# KiCad board FMC_MIPI_v2.kicad_pcb (continued)
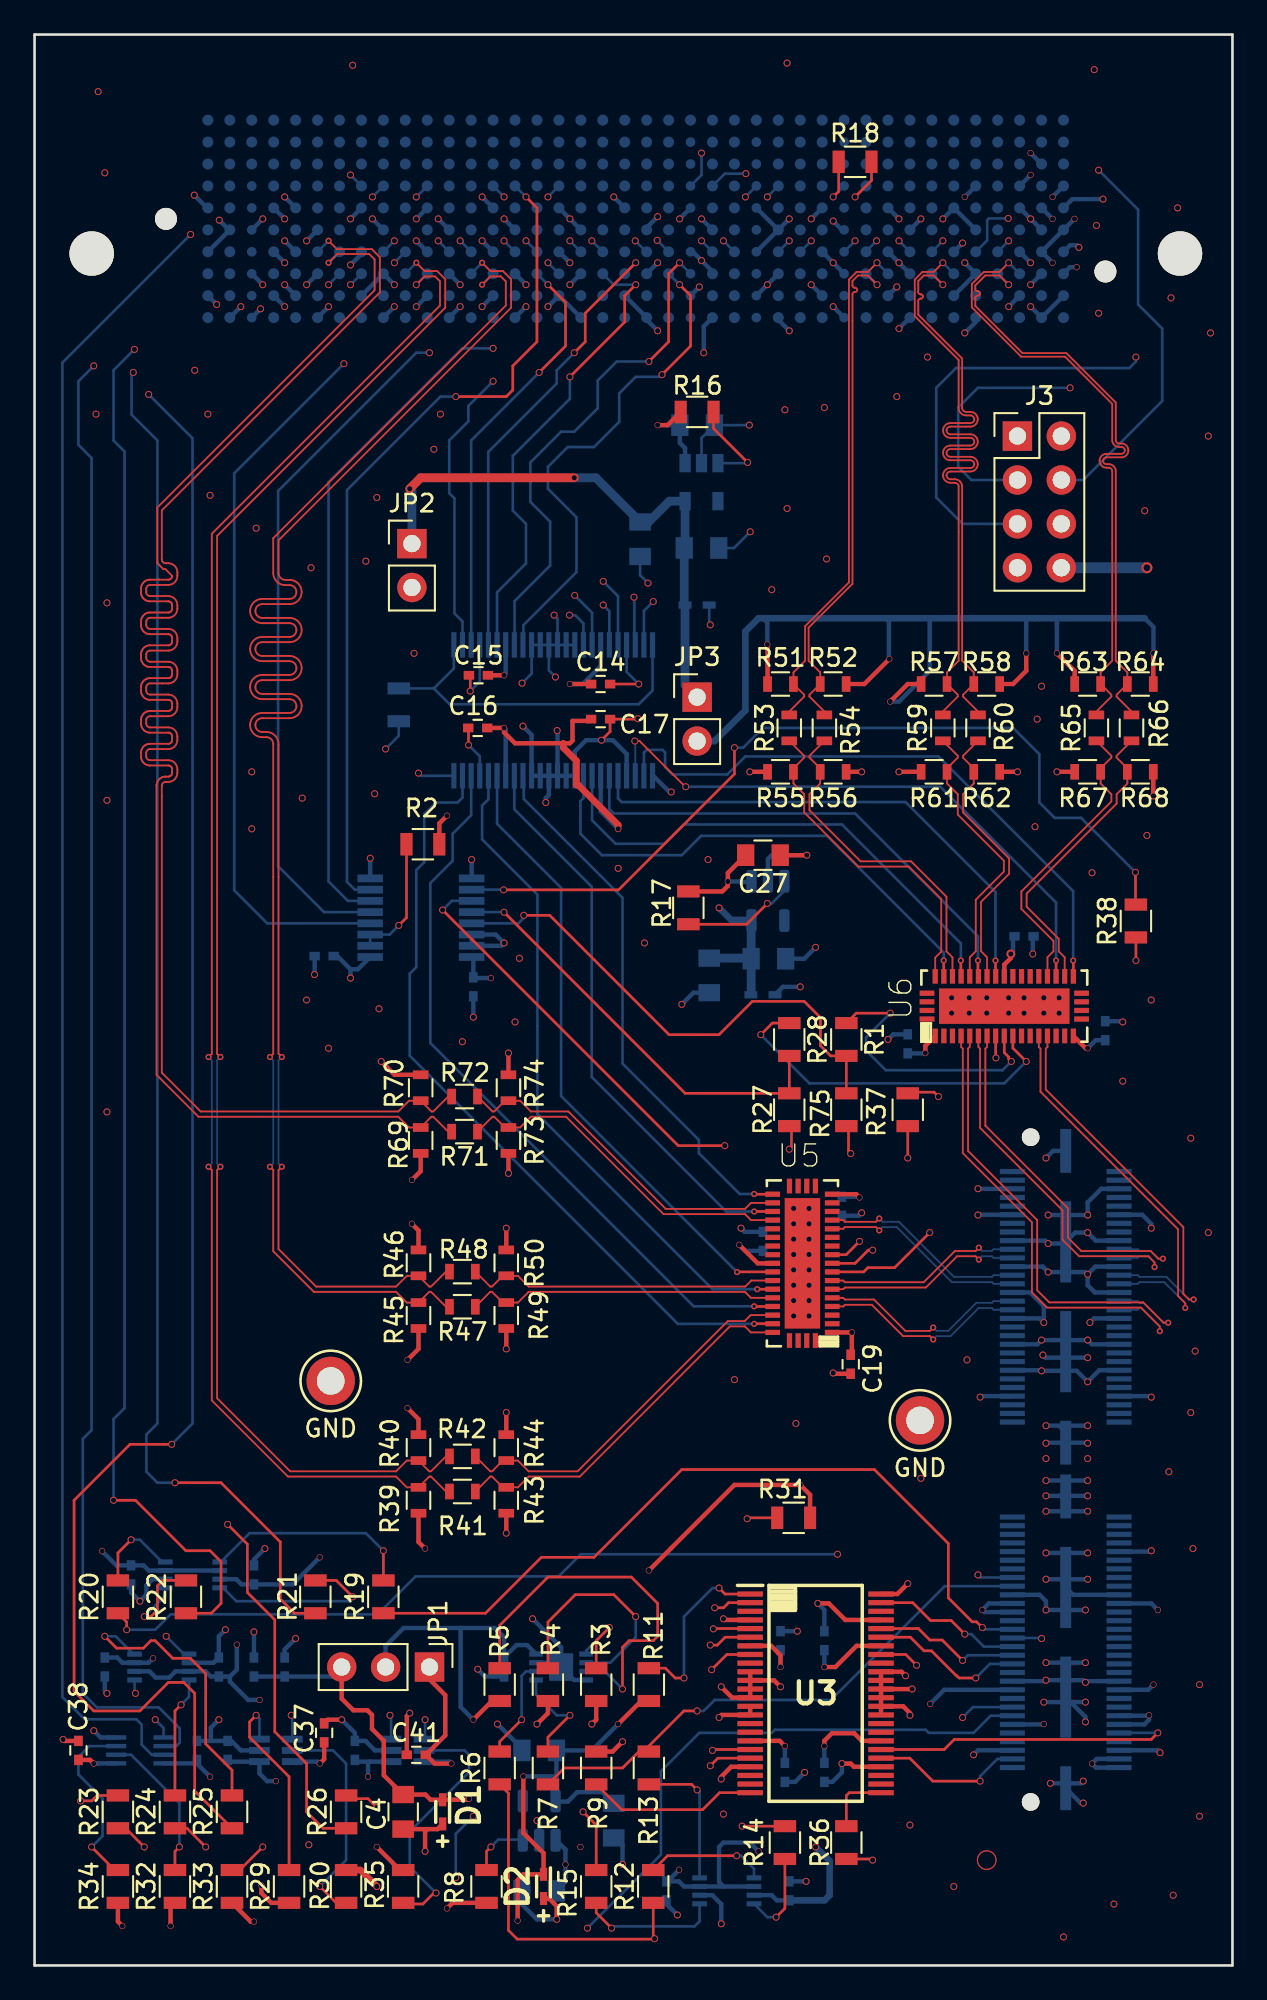
[diagram p0: board, top side]
## Routing (per net, layer and track width the routed paths; a pad name or vN(x,y) marks a point on that pad's centre or on a via; arc(x,y) is an arc through that point) (continued)
  Bottom w0.152: U8.20 33.77,79.26 v2(32.92,80.11) ; J1.G18 v2(30.99,99.82)
FMC_CSI_LP_D_D1_N: length 28.3
  In2.Cu w0.152: v2(28.45,99.82) 27.81,99.19 27.81,93.73 25.53,91.44 25.53,83.59 v2(30.96,78.16)
  Bottom w0.152: v2(30.96,78.16) 31.29,78.16 31.77,77.68 U8.16 ; J1.G16 v2(28.45,99.82)
FMC_CSI_LP_D_D1_P: length 29.5
  In2.Cu w0.152: v2(27.18,99.82) 28.07,100.71 30.35,100.71 30.35,80.21 v2(31.27,79.3)
  Bottom w0.152: U8.17 32.27,78.29 v2(31.27,79.3) ; J1.G15 v2(27.18,99.82)
FMC_EN_MIPI_OUT_CLOCK_VADJ: length 49.1
  Top w0.152: v2(28.45,102.36) 29.08,101.73 29.08,93.98 27.69,92.58 27.69,91.19 27.3,90.81 v2(24.38,90.81)
  Bottom w0.152: IC1.7 18.54,62.27 18.08,62.72 18.08,85.39 23.5,90.81 v2(24.38,90.81) ; J1.D15 v2(28.45,102.36)
FMC_EN_MIPI_OUT_DATA_VADJ: length 48.6
  In3.Cu w0.152: v2(27.18,102.36) 26.54,101.73 v2(26.54,93.6)
  Bottom w0.152: IC1.6 18.14,61.62 17.02,62.74 17.02,85.85 24.77,93.6 v2(26.54,93.6) ; 26.54,103 v2(27.18,102.36)
FMC_ENN_JT_GPIO_INPUT: length 108.6
  In2.Cu w0.152: v2(23.5,89.79) 14.02,80.31 14.02,55.07 15.75,53.34 15.75,42.39 10.54,37.19 10.54,33.81 15.75,28.6 15.75,15.49 16,15.24 19.81,15.24 v2(20.57,14.48)
  In3.Cu w0.152: v2(23.5,89.79) 27.18,89.79 28.32,90.93 28.32,92.33 30.33,94.34 30.33,101.75 v2(29.72,102.36)
  Bottom w0.152: IC7.3 20.64,14.41 v2(20.57,14.48) ; J1.D17 v2(29.72,102.36)
FMC_GPIO9_OUT: length 104.3
  Top w0.152: v2(39.24,12.45) 39.3,12.5 U3.19
  In2.Cu w0.152: v2(42.42,102.36) 42.42,98.3 43.37,97.35 43.37,96.58 45.02,94.93 45.02,93.66 47.12,91.57 47.12,63.5 45.47,61.85 45.47,60.55 42.52,57.61 40.44,57.61 34.01,51.18 34.01,18.69 34.8,17.91 34.8,16.51 35.88,15.43 35.88,14.92 38.35,12.45 v2(39.24,12.45)
  Bottom w0.152: J1.D27 v2(42.42,102.36)
FMC_GPIO17_OUT: length 107.1
  Top w0.152: U3.20 39.56,12 v2(39.12,11.56)
  In2.Cu w0.152: v2(41.15,102.36) 41.15,96.65 42.42,95.38 42.42,94.23 44.7,91.95 44.7,68.33 43.69,67.31 43.69,60.76 41.78,58.85 39.75,58.85 32.49,51.59 32.49,20.85 32.77,20.57 32.77,20.19 32.49,19.91 32.49,16.79 32.89,16.38 32.89,15.62 33.91,14.61 34.67,14.61 34.8,14.48 34.8,13.72 36.07,12.45 36.07,11.56 v2(39.12,11.56)
  Bottom w0.152: J1.D26 v2(41.15,102.36)
FMC_HS_CSI_C_CLK_N: length 94.1
  Top w0.102: R71.2 23.94,48.26 23.08,49.12 22.97,49.12 R69.2 21.68,48.5 21.06,49.12 9.49,49.12 7.06,51.55 7.06,68.28 7.06,68.35 7.1,68.48 7.17,68.6 7.27,68.7 7.39,68.77 7.52,68.81 7.59,68.81 7.74,68.81 7.78,68.81 7.87,68.84 7.93,68.91 7.96,68.99 7.96,69.03 7.96,69.23 7.96,69.28 7.93,69.36 7.87,69.42 7.78,69.45 7.74,69.45 6.69,69.45 6.62,69.46 6.48,69.49 6.36,69.56 6.27,69.66 6.2,69.78 6.16,69.91 6.16,69.98 6.16,70.18 6.16,70.25 6.2,70.38 6.27,70.5 6.36,70.6 6.48,70.67 6.62,70.71 6.69,70.71 7.74,70.71 7.78,70.71 7.87,70.74 7.93,70.81 7.96,70.89 7.96,70.93 7.96,71.13 7.96,71.18 7.93,71.26 7.87,71.32 7.78,71.35 7.74,71.35 6.69,71.35 6.62,71.36 6.48,71.39 6.36,71.46 6.27,71.56 6.2,71.68 6.16,71.81 6.16,71.88 6.16,72.08 6.16,72.15 6.2,72.28 6.27,72.4 6.36,72.5 6.48,72.57 6.62,72.61 6.69,72.61 7.74,72.61 7.78,72.61 7.87,72.64 7.93,72.71 7.96,72.79 7.96,72.83 7.96,73.03 7.96,73.08 7.93,73.16 7.87,73.22 7.78,73.25 7.74,73.25 6.69,73.25 6.62,73.26 6.48,73.29 6.36,73.36 6.27,73.46 6.2,73.58 6.16,73.71 6.16,73.78 6.16,73.98 6.16,74.05 6.2,74.18 6.27,74.3 6.36,74.4 6.48,74.47 6.62,74.51 6.69,74.51 7.74,74.51 7.78,74.51 7.87,74.54 7.93,74.61 7.96,74.69 7.96,74.73 7.96,74.93 7.96,74.98 7.93,75.06 7.87,75.12 7.78,75.15 7.74,75.15 6.69,75.15 6.62,75.16 6.48,75.19 6.36,75.26 6.27,75.36 6.2,75.48 6.16,75.61 6.16,75.68 6.16,75.88 6.16,75.95 6.2,76.08 6.27,76.2 6.36,76.3 6.48,76.37 6.62,76.41 6.69,76.41 7.74,76.41 7.78,76.41 7.87,76.44 7.93,76.51 7.96,76.59 7.96,76.63 7.96,76.83 7.96,76.88 7.93,76.96 7.87,77.02 7.78,77.05 7.74,77.05 6.69,77.05 6.62,77.06 6.48,77.09 6.36,77.16 6.27,77.26 6.2,77.38 6.16,77.51 6.16,77.58 6.16,77.78 6.16,77.85 6.2,77.98 6.27,78.1 6.36,78.2 6.48,78.27 6.62,78.31 6.69,78.31 7.74,78.31 7.78,78.31 7.87,78.34 7.93,78.41 7.96,78.49 7.96,78.53 7.96,78.73 7.96,78.78 7.93,78.86 7.87,78.92 7.78,78.95 7.74,78.95 6.69,78.95 6.62,78.96 6.48,78.99 6.36,79.06 6.27,79.16 6.2,79.28 6.16,79.41 6.16,79.48 6.16,79.68 6.16,79.75 6.2,79.88 6.27,80 6.36,80.1 6.48,80.17 6.62,80.21 6.69,80.21 7.21,80.21 7.74,80.21 7.78,80.21 7.87,80.24 7.93,80.31 7.96,80.39 7.96,80.43 7.57,80.82 7.46,80.82 7.1,81.18 7.1,84.38 19.69,96.96 19.69,98.74 19.37,99.06 17.53,99.06 v1(17.02,98.55)
  Bottom w0.152: J1.G7 v1(17.02,98.55)
FMC_HS_CSI_C_CLK_P: length 94.2
  Top w0.102: R72.2 23.94,50.29 23.08,49.43 22.97,49.43 R70.1 21.68,50.05 21.06,49.43 9.61,49.43 7.37,51.68 7.37,68.28 arc(7.43,68.44) 7.59,68.5 7.74,68.5 arc(8.11,68.66) 8.27,69.03 8.27,69.23 arc(8.11,69.6) 7.74,69.76 6.69,69.76 arc(6.53,69.82) 6.47,69.98 6.47,70.18 arc(6.53,70.34) 6.69,70.4 7.74,70.4 arc(8.11,70.56) 8.27,70.93 8.27,71.13 arc(8.11,71.5) 7.74,71.66 6.69,71.66 arc(6.53,71.72) 6.47,71.88 6.47,72.08 arc(6.53,72.24) 6.69,72.3 7.74,72.3 arc(8.11,72.46) 8.27,72.83 8.27,73.03 arc(8.11,73.4) 7.74,73.56 6.69,73.56 arc(6.53,73.62) 6.47,73.78 6.47,73.98 arc(6.53,74.14) 6.69,74.2 7.74,74.2 arc(8.11,74.36) 8.27,74.73 8.27,74.93 arc(8.11,75.3) 7.74,75.46 6.69,75.46 arc(6.53,75.52) 6.47,75.68 6.47,75.88 arc(6.53,76.04) 6.69,76.1 7.74,76.1 arc(8.11,76.26) 8.27,76.63 8.27,76.83 arc(8.11,77.2) 7.74,77.36 6.69,77.36 arc(6.53,77.42) 6.47,77.58 6.47,77.78 arc(6.53,77.94) 6.69,78 7.74,78 arc(8.11,78.16) 8.27,78.53 8.27,78.73 arc(8.11,79.1) 7.74,79.26 6.69,79.26 arc(6.53,79.32) 6.47,79.48 6.47,79.68 arc(6.53,79.84) 6.69,79.9 7.21,79.9 7.59,79.9 7.74,79.9 arc(8.11,80.06) 8.27,80.43 8.27,80.63 arc(8.11,81.01) 7.74,81.16 7.59,81.16 arc(7.43,81.22) 7.37,81.38 7.37,84.21 19.99,96.84 19.99,98.87 19.52,99.34 17.5,99.34 v1(17.02,99.82)
  Bottom w0.152: J1.G6 v1(17.02,99.82)
FMC_HS_CSI_C_D0_N: length 93.9
  Top w0.102: R47.2 23.81,38.13 22.95,38.99 22.85,38.99 R45.2 21.55,38.37 20.93,38.99 16.17,38.99 13.82,41.34 13.82,46.04 v1(13.63,46.23) ; v1(25.91,97.28) 26.39,97.76 26.99,97.76 27.28,97.47 27.28,96.08 13.82,82.61 13.82,80.59 arc(14.02,80.1) 14.52,79.89 14.76,79.89 arc(15.04,79.78) 15.16,79.49 arc(15.04,79.21) 14.76,79.1 13.18,79.1 arc(12.68,78.89) 12.48,78.39 arc(12.68,77.9) 13.18,77.69 14.76,77.69 arc(15.04,77.58) 15.16,77.29 arc(15.04,77.01) 14.76,76.9 13.18,76.9 arc(12.68,76.69) 12.48,76.19 arc(12.68,75.7) 13.18,75.49 14.76,75.49 arc(15.04,75.38) 15.16,75.09 arc(15.04,74.81) 14.76,74.7 13.18,74.7 arc(12.68,74.49) 12.48,73.99 arc(12.68,73.5) 13.18,73.29 14.76,73.29 arc(15.04,73.18) 15.16,72.89 arc(15.04,72.61) 14.76,72.5 13.18,72.5 arc(12.68,72.29) 12.48,71.79 arc(12.68,71.3) 13.18,71.09 13.42,71.09 arc(13.7,70.98) 13.82,70.69 13.82,52.77 v1(13.63,52.58)
  Bottom w0.102: v1(13.63,46.23) 13.82,46.42 13.82,52.39 v1(13.63,52.58)
  Bottom w0.152: 26.54,97.92 v1(25.91,97.28)
FMC_HS_CSI_C_D0_P: length 93.9
  Top w0.102: v1(25.91,98.55) 26.39,98.07 27.11,98.07 27.58,97.6 27.58,95.95 14.12,82.49 14.12,80.59 arc(14.24,80.31) 14.52,80.2 14.76,80.2 arc(15.26,79.99) 15.46,79.49 arc(15.26,79) 14.76,78.79 13.18,78.79 arc(12.9,78.68) 12.78,78.39 arc(12.9,78.11) 13.18,78 14.76,78 arc(15.26,77.79) 15.46,77.29 arc(15.26,76.8) 14.76,76.59 13.18,76.59 arc(12.9,76.48) 12.78,76.19 arc(12.9,75.91) 13.18,75.8 14.76,75.8 arc(15.26,75.59) 15.46,75.09 arc(15.26,74.6) 14.76,74.39 13.18,74.39 arc(12.9,74.28) 12.78,73.99 arc(12.9,73.71) 13.18,73.6 14.76,73.6 arc(15.26,73.39) 15.46,72.89 arc(15.26,72.4) 14.76,72.19 13.18,72.19 arc(12.9,72.08) 12.78,71.79 arc(12.9,71.51) 13.18,71.4 13.42,71.4 arc(13.92,71.19) 14.12,70.69 14.12,52.77 v1(14.31,52.58) ; v1(14.31,46.23) 14.12,46.04 14.12,41.47 16.29,39.29 20.93,39.29 21.55,39.92 R46.1 22.85,39.29 22.95,39.29 23.81,40.16 R48.2
  Bottom w0.102: v1(14.31,46.23) 14.12,46.42 14.12,52.39 v1(14.31,52.58)
  Bottom w0.152: J1.H13 v1(25.91,98.55)
FMC_HS_CSI_C_D1_N: length 89.6
  Top w0.102: v2(22.1,97.28) 22.58,97.76 23.18,97.76 23.47,97.47 23.47,96.08 10.26,82.87 10.26,52.77 v1(10.07,52.58) ; v1(10.07,46.23) 10.26,46.04 10.26,32.7 14.67,28.3 20.93,28.3 21.55,27.67 R39.2 22.85,28.3 22.95,28.3 23.81,27.43 R41.2
  Bottom w0.102: v1(10.07,52.58) 10.26,52.39 10.26,46.42 v1(10.07,46.23)
  Bottom w0.152: J1.H11 v2(22.1,97.28)
FMC_HS_CSI_C_D1_P: length 89.6
  Top w0.102: v1(10.76,52.58) 10.57,52.77 10.57,82.74 23.77,95.95 23.77,97.6 23.3,98.07 22.58,98.07 v1(22.1,98.55) ; R42.2 23.81,29.46 22.95,28.6 22.85,28.6 R40.1 21.55,29.22 20.93,28.6 14.8,28.6 10.57,32.83 10.57,46.04 v1(10.76,46.23)
  Bottom w0.102: v1(10.76,52.58) 10.57,52.39 10.57,46.42 v1(10.76,46.23)
  Bottom w0.152: 21.46,97.92 v1(22.1,98.55)
FMC_HS_CSI_D_CLK_N: length 36.4
  Top w0.102: R65.2 61.47,72.58 62.33,73.44 62.33,73.55 R63.2 61.71,74.84 62.38,75.52 62.38,86.49 arc(62.32,86.63) 62.18,86.69 62.05,86.69 arc(61.77,86.81) 61.65,87.09 arc(61.77,87.37) 62.05,87.49 62.92,87.49 arc(63.06,87.55) 63.11,87.69 arc(63.06,87.83) 62.92,87.89 62.78,87.89 arc(62.5,88.01) 62.38,88.29 62.38,90.38 59.65,93.12 57.11,93.12 54.25,95.97 54.25,97.32 54.95,98.02 55.85,98.02 v2(56.39,98.55)
  Bottom w0.152: J1.H38 v2(56.39,98.55)
FMC_HS_CSI_D_CLK_P: length 36.4
  Top w0.102: v2(56.39,97.28) 55.85,97.82 55.03,97.82 54.46,97.24 54.46,97.03 arc(54.49,96.94) 54.58,96.9 54.61,96.9 arc(54.7,96.87) 54.73,96.78 arc(54.7,96.69) 54.61,96.65 54.58,96.65 arc(54.49,96.62) 54.46,96.53 54.46,96.05 57.19,93.32 59.73,93.32 62.59,90.47 62.59,88.29 arc(62.64,88.15) 62.78,88.09 62.92,88.09 arc(63.2,87.97) 63.32,87.69 arc(63.2,87.41) 62.92,87.29 62.05,87.29 arc(61.91,87.23) 61.85,87.09 arc(61.91,86.95) 62.05,86.89 62.18,86.89 arc(62.47,86.77) 62.59,86.49 62.59,75.52 63.26,74.84 R64.1 62.64,73.55 62.64,73.44 63.5,72.58 R66.2
  Bottom w0.152: J1.H37 v2(56.39,97.28)
FMC_HS_CSI_D_D0_N: length 39
  Top w0.102: R59.2 52.58,72.58 53.44,73.44 53.44,73.55 R57.2 52.82,74.84 53.49,75.52 53.49,85.59 arc(53.43,85.75) 53.27,85.82 53.01,85.82 arc(52.71,85.94) 52.59,86.24 arc(52.71,86.55) 53.01,86.67 54.17,86.67 arc(54.33,86.74) 54.4,86.89 arc(54.33,87.05) 54.17,87.12 53.01,87.12 arc(52.71,87.24) 52.59,87.54 arc(52.71,87.85) 53.01,87.97 54.17,87.97 arc(54.33,88.04) 54.4,88.19 arc(54.33,88.35) 54.17,88.42 53.01,88.42 arc(52.71,88.54) 52.59,88.84 arc(52.71,89.15) 53.01,89.27 54.17,89.27 arc(54.33,89.34) 54.4,89.49 arc(54.33,89.65) 54.17,89.72 53.92,89.72 arc(53.62,89.84) 53.49,90.14 53.49,92.92 50.95,95.46 50.95,97.58 51.39,98.02 52.04,98.02 v2(52.58,98.55)
  Bottom w0.152: J1.H35 v2(52.58,98.55)
FMC_HS_CSI_D_D0_P: length 39
  Top w0.102: v2(52.58,97.28) 52.04,97.82 51.48,97.82 51.16,97.49 51.16,96.85 arc(51.19,96.76) 51.28,96.73 51.31,96.73 arc(51.39,96.69) 51.43,96.6 arc(51.39,96.51) 51.31,96.48 51.28,96.48 arc(51.19,96.44) 51.16,96.35 51.16,95.55 53.7,93.01 53.7,90.14 arc(53.76,89.99) 53.92,89.92 54.17,89.92 arc(54.47,89.8) 54.6,89.49 arc(54.47,89.19) 54.17,89.07 53.01,89.07 arc(52.86,89) 52.79,88.84 arc(52.86,88.69) 53.01,88.62 54.17,88.62 arc(54.47,88.5) 54.6,88.19 arc(54.47,87.89) 54.17,87.77 53.01,87.77 arc(52.86,87.7) 52.79,87.54 arc(52.86,87.39) 53.01,87.32 54.17,87.32 arc(54.47,87.2) 54.6,86.89 arc(54.47,86.59) 54.17,86.47 53.01,86.47 arc(52.86,86.4) 52.79,86.24 arc(52.86,86.09) 53.01,86.02 53.27,86.02 arc(53.57,85.9) 53.7,85.59 53.7,75.52 54.37,74.84 R58.1 53.75,73.55 53.75,73.44 54.61,72.58 R60.2
  Bottom w0.152: J1.H34 v2(52.58,97.28)
FMC_HS_CSI_D_D1_N: length 30.1
  Top w0.102: R53.2 43.69,72.58 44.55,73.44 44.55,73.55 R51.2 43.93,74.84 44.6,75.52 44.6,77.51 47.14,80.05 47.14,97.58 47.58,98.02 48.23,98.02 v2(48.77,98.55)
  Bottom w0.152: J1.H32 v2(48.77,98.55)
FMC_HS_CSI_D_D1_P: length 30.1
  Top w0.102: R54.2 45.72,72.58 44.86,73.44 44.86,73.55 R52.1 45.48,74.84 44.81,75.52 44.81,77.43 47.35,79.97 47.35,96.73 arc(47.38,96.82) 47.47,96.86 47.5,96.86 arc(47.58,96.89) 47.62,96.98 arc(47.58,97.07) 47.5,97.11 47.47,97.11 arc(47.38,97.14) 47.35,97.23 47.35,97.49 47.67,97.82 48.23,97.82 v2(48.77,97.28)
  Bottom w0.152: J1.H31 v2(48.77,97.28)
FMC_I2C2_CAM_CLK: length 98.8
  Top w0.152: v2(8.13,27.94) 10.8,27.94 14.22,24.51 14.22,21.21 15.05,20.39 R21.2
  In2.Cu w0.152: v2(20.83,99.82) J1.G9 12.7,99.19 v2(5.72,92.2)
  Bottom w0.152: J1.G9 v2(20.83,99.82) ; v2(8.13,27.94) 7.11,27.94 6.48,28.58 6.48,30.73 7.11,31.37 7.11,88.27 5.62,89.76 5.62,92.1 v2(5.72,92.2)
FMC_I2C2_CAM_DAT: length 101.4
  Top w0.152: R22.2 10.23,20.39 10.8,20.95 10.8,23.37 10.16,24 8.76,24 5.84,26.92 v2(4.57,26.92)
  In2.Cu w0.152: v2(5.78,93.54) 12.7,100.46 15.75,100.46 16.26,100.97 17.27,100.97 17.93,100.3 20.04,100.3 v2(22.1,102.36)
  Bottom w0.152: v2(5.78,93.54) 4.57,92.33 4.57,88.27 5.21,87.63 5.21,32.26 4.57,31.62 v2(4.57,26.92) ; J1.D11 v2(22.1,102.36)
FMC_I2C3_CAM_CLK: length 111.4
  Top w0.152: R25.2 9.27,10.1 9.27,15.75 8.64,16.38 7.75,16.38 6.1,14.73 3.43,14.73 2.29,15.88 2.29,26.92 5.52,30.16 v2(7.94,30.16)
  In2.Cu w0.152: v2(17.02,97.28) 14.41,94.68 10.35,94.68 v2(6.6,90.93)
  Bottom w0.152: v2(6.6,90.93) 9.14,88.39 9.14,31.37 v2(7.94,30.16) ; J1.H7 v2(17.02,97.28)
FMC_I2C3_CAM_DAT: length 105.7
  Top w0.152: v2(11.18,25.53) 12.32,24.38 12.32,21.59 13.9,20 13.9,13.53 15.75,11.68 15.75,8.89 16.7,7.94 R26.2
  In2.Cu w0.152: v2(20.83,98.55) 21.46,97.92 21.46,95.25 20.83,94.62 18.29,94.62 15.11,91.44 12.57,91.44 11.18,90.04 11.18,63.25 12.19,62.23 12.19,41.61 8.48,37.9 8.48,33.38 11.18,30.68 v2(11.18,25.53)
  Bottom w0.152: 21.46,99.19 v2(20.83,98.55)
FMC_I2C_CAM_CLK: length 107.2
  Top w0.152: R14.2 v2(40.96,8.06)
  In2.Cu w0.152: v2(40.96,8.06) 36.52,8.06 33.02,11.56 33.02,14.48 31.62,15.88 31.62,19.81 31.24,20.19 31.24,65.61 33.72,68.08 33.72,73.85 42.16,82.3 42.16,92.84 39.88,95.12 v2(39.88,99.82)
  Bottom w0.152: J1.G25 v2(39.88,99.82)
FMC_I2C_CAM_DAT: length 101.7
  Top w0.152: R15.2 32.51,8.13 v2(31.75,8.89)
  In2.Cu w0.152: v2(31.75,8.89) 30.23,10.41 30.23,12.57 29.72,13.08 29.72,19.43 30.23,19.94 30.23,67.06 31.75,68.58 31.75,73.43 40.64,82.32 40.64,92.71 39.24,94.11 J1.G24 v2(38.61,99.82)
  Bottom w0.152: J1.G24 v2(38.61,99.82)
FMC_SWITCH_CLOCK_LANES_VADJ: length 49.1
  In2.Cu w0.152: v2(24.64,99.82) J1.G13 25.27,95.38 23.24,93.34 v2(22.86,93.34)
  Bottom w0.152: J1.G13 v2(24.64,99.82) ; IC1.5 16.76,60.97 14.1,63.63 14.1,85.34 22.1,93.34 v2(22.86,93.34)
FMC_SWITCH_DATA_LANES_VADJ: length 53.6
  In2.Cu w0.152: v2(23.37,99.82) 23.37,95.5 20.57,92.71 v2(17.91,92.71)
  Bottom w0.152: J1.G12 v2(23.37,99.82) ; IC1.4 13.47,60.32 11.56,62.23 11.56,86.36 v2(17.91,92.71)
JT_1p8V_CAM0_MCLK: length 8.7
  Top w0.152: v2(53.85,19.18) 53.06,19.96 51.87,19.96 50.83,21 U3.47
  Bottom w0.152: J2.91 54.95,18.45 54.23,19.18 v2(53.85,19.18)
JT_1p8V_CAM0_PWR: length 8.5
  Top w0.152: v2(53.72,17.65) 52.54,18.83 51.83,18.83 51.16,19.5 U3.44
  Bottom w0.152: J2.93 54.02,17.95 v2(53.72,17.65)
JT_1p8V_CAM0_RST: length 8.9
  Top w0.152: v2(54.48,16.64) 53.52,16.64 53.39,16.76 53.37,16.76 51.92,18.21 51.49,18.21 50.7,19 U3.43
  Bottom w0.152: v2(54.48,16.64) 55.3,17.45 J2.95
JT_1p8V_GPIO9_IN: length 18.7
  Top w0.152: U3.30 52.66,12.5 53.24,13.08 64.64,13.08 v2(65.02,13.46)
  Bottom w0.152: v2(65.02,13.46) 62.79,13.46 J2.112
JT_1p8V_GPIO17_IN: length 8.9
  Top w0.152: v2(54.74,10.67) 51.99,10.67 50.66,12 U3.29
  Bottom w0.152: J2.117 55.73,11.95 54.74,10.96 v2(54.74,10.67)
JT_1p8V_I2C2_CAM_CLK: length 45.5
  Top w0.152: v2(54.86,19.56) 54.53,19.89 54.28,19.89 52.9,21.27 52.9,24.42 48.62,28.7 37.47,28.7 32.39,23.62 29.34,23.62 26.1,20.39 R19.1
  Bottom w0.152: J2.87 54.97,19.45 v2(54.86,19.56)
JT_1p8V_I2C2_CAM_DAT: length 60
  Top w0.152: v2(5.33,19.43) 5.33,19.88 R20.1
  In2.Cu w0.152: v2(46.48,23.8) 51.74,18.54 57.91,18.54 v2(58.29,18.92)
  Bottom w0.152: J2.89 58.26,18.95 v2(58.29,18.92) ; v2(46.48,23.8) 31.62,23.8 30.34,22.52 22.06,22.52 19.86,20.32 7.87,20.32 6.98,19.43 v2(5.33,19.43)
JT_1p8V_I2C3_CAM_CLK: length 69.4
  Top w0.152: v2(6.35,6.86) 5.27,7.94 R23.1
  In2.Cu w0.152: v2(25.4,8.64) 21.34,8.64 20.57,7.87 19.05,7.87 18.29,8.64 6.86,8.64 6.35,8.13 v2(6.35,6.86) ; v2(24.38,5.08) 27.56,1.91 30.35,1.91 32.51,4.06 39.37,4.06 40.13,4.83 43.05,4.83 43.82,4.06 45.72,4.06 46.61,4.95 49.02,4.95 49.53,5.46 49.53,8.64 50.67,9.78 50.67,11.3 v2(53.72,14.35)
  Bottom w0.152: v2(25.4,8.64) 24.38,7.62 v2(24.38,5.08) ; v2(53.72,14.35) 54.32,14.95 J2.105
JT_1p8V_I2C3_CAM_DAT: length 59.8
  Top w0.152: R24.1 8.82,7.94 v2(9.91,6.86)
  In2.Cu w0.152: v2(9.91,6.86) 15.62,1.14 30.99,1.14 v2(32,2.16)
  Bottom w0.152: v2(32,2.16) 36.26,6.41 36.26,11.24 38.48,13.46 42.67,13.46 42.85,13.64 51.59,13.64 51.77,13.46 54.36,13.46 55.35,14.45 J2.107
JT_1p8V_I2C_CAM_CLK: length 79.4
  Top w0.152: R6.2 27.43,9.97 27.43,2.03 27.94,1.52 35.86,1.52 v2(35.89,1.55) 35.81,1.63 R12.1
  In2.Cu w0.152: v2(54.61,22.61) 54.99,22.99 64.14,22.99 66.29,20.83 66.29,10.79 59.05,3.56 48.39,3.56 47.37,2.54 45.08,2.54 44.07,3.56 42.04,3.56 40.01,1.52 35.92,1.52 v2(35.89,1.55)
  Bottom w0.152: v2(54.61,22.61) 54.76,22.45 J2.75
JT_1p8V_I2C_CAM_DAT: length 31.8
  Top w0.152: R7.2 30.67,11.43 34.04,11.43 34.99,12.38 R13.1 35.56,12.7 37.59,14.73 v2(38.35,14.73)
  Bottom w0.152: v2(38.35,14.73) 38.73,14.73 39.37,15.37 46.1,15.37 52.69,21.95 J2.77
JT_VDD_1V8: length 81.3
  Top w0.254: v3(35.56,22.86) 40.51,27.81 v3(44.32,27.81) 44.89,27.24 R31.2 ; v3(25.15,9.65) 25.08,9.59 D1.1 22.92,9.59 22.62,9.89 C4.2 20.22,11.01 20.22,13 19.53,13.69 19.53,14.5 19.27,14.77 18.45,14.77 17.78,15.44 JP1.3
  In2.Cu w0.254: v3(44.32,27.81) 47.35,27.81 53.57,21.59 60.96,21.59 64.77,17.78 v3(64.77,16.26)
  In3.Cu w0.254: v3(35.56,22.86) 35.56,13.21 32,9.65 v3(25.15,9.65)
  Bottom w0.254: J2.102 64.47,15.95 v3(64.77,16.26) ; JP1.3 17.23,16.72 C5.2 C6.2
Net-(IC3-Pad1): length 8.1
  Top w0.152: v2(33.4,2.16) 32.51,3.05 R15.1
  Bottom w0.152: IC3.1 38.5,2.56 38.2,2.26 33.5,2.26 v2(33.4,2.16)
Net-(IC3-Pad4): length 8.1
  Top w0.152: v2(38.35,10.16) 38.03,10.48 R13.2
  Bottom w0.152: v2(38.35,10.16) 38.5,10.02 IC3.4
Net-(IC3-Pad5): length 7
  Top w0.152: v2(40.64,6.35) 36.64,6.35 R12.2
  Bottom w0.152: IC3.5 41.65,5.6 40.89,6.35 v2(40.64,6.35)
Net-(IC3-Pad8): length 5.2
  Top w0.152: R14.1 43.43,3.3 v2(42.93,2.79)
  Bottom w0.152: IC3.8 42.42,2.79 v2(42.93,2.79)
Net-(IC4-Pad1): length 6.3
  Top w0.152: R22.1 7.43,22.29 7.11,21.97 7.11,20.57 6.73,20.19 v2(6.35,20.19)
  Bottom w0.152: 7.57,21.86 7.57,21.41 v2(6.35,20.19)
Net-(IC4-Pad4): length 5.2
  Top w0.152: R20.2 4.83,23.88 v2(5.59,24.64)
  Bottom w0.152: 7.57,23.36 7.38,23.36 6.1,24.64 v2(5.59,24.64)
Net-(IC4-Pad5): length 12.3
  Top w0.152: R19.2 v2(20.19,24)
  Bottom w0.152: v2(20.19,24) 19.18,25.02 12.45,25.02 10.78,23.36 IC4.5
Net-(IC4-Pad8): length 10.7
  Top w0.152: R21.1 17.47,22.29 v2(18.41,21.34)
  Bottom w0.152: v2(18.41,21.34) 18.16,21.08 11.68,21.08 10.91,21.86 IC4.8
Net-(IC5-Pad1): length 20.6
  Top w0.152: R26.1 18.22,9.65 19.3,9.65 v2(19.81,9.14)
  In2.Cu w0.152: v2(19.81,9.14) 19.05,9.91 16,9.91 7.62,18.29 v2(7.62,19.05)
  Bottom w0.152: IC5.1 8.65,18.02 v2(7.62,19.05)
Net-(IC5-Pad4): length 7
  Top w0.152: R24.2 8.13,14.73 v2(8.48,15.09)
  Bottom w0.152: IC5.4 8.94,15.55 v2(8.48,15.09)
Net-(IC5-Pad5): length 11.1
  Top w0.152: v2(2.67,9.53) 3.3,9.53 3.62,9.84 R23.2
  In2.Cu w0.152: v2(2.67,9.53) 3.43,9.53 5.21,11.3 5.21,15.11 v2(5.84,15.75)
  Bottom w0.152: IC5.5 5.79,15.8 v2(5.84,15.75)
Net-(IC5-Pad8): length 16.9
  Top w0.152: R25.1 11.43,11.3 9.91,12.83 9.91,16.89 9.02,17.78 8,17.78 6.98,18.8 6.73,18.8 6.3,18.36 4.75,18.36 v2(4.06,19.05)
  Bottom w0.152: IC5.8 5.73,18.02 4.7,19.05 v2(4.06,19.05)
Net-(IC6-Pad3): length 11.5
  Top w0.152: v2(12.83,14.48) 12.45,14.1 12.45,13.21 14.73,10.92 R29.2
  Bottom w0.152: IC6.3 13.02,14.28 v2(12.83,14.48)
Net-(IC6-Pad5): length 13.1
  Top w0.152: R30.2 17.46,3.62 v2(16.51,4.57)
  Bottom w0.152: IC6.5 17.27,12.45 18.03,11.68 18.03,6.1 v2(16.51,4.57)
Net-(IC7-Pad5): length 15
  Top w0.152: R35.2 21.4,3.56 22.48,3.56 23.11,4.19 v2(23.24,4.19)
  Bottom w0.152: v2(23.24,4.19) 21.72,5.72 21.72,7.75 25.15,11.18 25.15,12.19 24.89,12.45 IC7.5
Net-(R8-Pad2): length 3.5
  Top w0.152: v2(26.42,6.86) 26.16,6.6 R8.2
  Bottom w0.152: v2(26.42,6.86) 26.84,7.28 28.26,7.28
Net-(R16-Pad2): length 5.5
  Top w0.152: v2(41.27,87) 39.3,88.97 R16.2
  Bottom w0.152: U4.3 41.23,86.95 v2(41.27,87)
Net-(R17-Pad2): length 6.9
  Top w0.152: R17.2 41.21,60.26 v2(42.42,61.47)
  Bottom w0.152: 43.4,62.72 43.4,62.2 42.67,61.47 v2(42.42,61.47)
Net-(R31-Pad1): length 17.4
  Top w0.152: v2(51.05,17.37) 50.43,18 U3.41 ; v2(41.25,25.86) 41.3,25.91 R31.1
  In2.Cu w0.152: v2(51.05,17.37) 49.73,17.37 v2(41.25,25.86)
Net-(R32-Pad2): length 8.8
  Top w0.152: v2(8.38,6.86) 8.13,6.6 R32.2
  Bottom w0.152: U2.2 5.58,12.2 8.38,9.4 v2(8.38,6.86)
Net-(R33-Pad2): length 21.7
  Top w0.152: v2(13.21,6.86) 11.87,5.52 R33.2
  In2.Cu w0.152: v2(6.98,14.22) 6.98,10.79 5.72,9.53 5.72,5.97 6.1,5.59 6.6,5.59 7.37,6.35 7.37,7.37 7.62,7.62 12.45,7.62 v2(13.21,6.86)
  Bottom w0.152: v2(6.98,14.22) 7.47,13.74 U2.5
Net-(R34-Pad2): length 10.6
  Top w0.152: R34.2 4.64,5.52 v2(3.3,6.86)
  Bottom w0.152: U2.3 3.17,12.7 2.54,12.06 2.54,11.05 3.94,9.65 3.94,7.49 v2(3.3,6.86)
Net-(R36-Pad1): length 3.8
  Top w0.152: R36.1 46.99,9.83 47.16,10 U3.25

## Copper pours and planes (outline as drawn; the poured copper is in the pictures)
Earth on In1.Cu: 77.77,-12.7 -9.11,-12.3 -8.08,117.92 82.15,118.81
Earth on In4.Cu: 91.32,126.22 85.34,-29.6 -21.86,-23.62 -21.46,127.42
